# Altium PCB LTEWatch.PcbDoc (part 1 of 3) (continued)
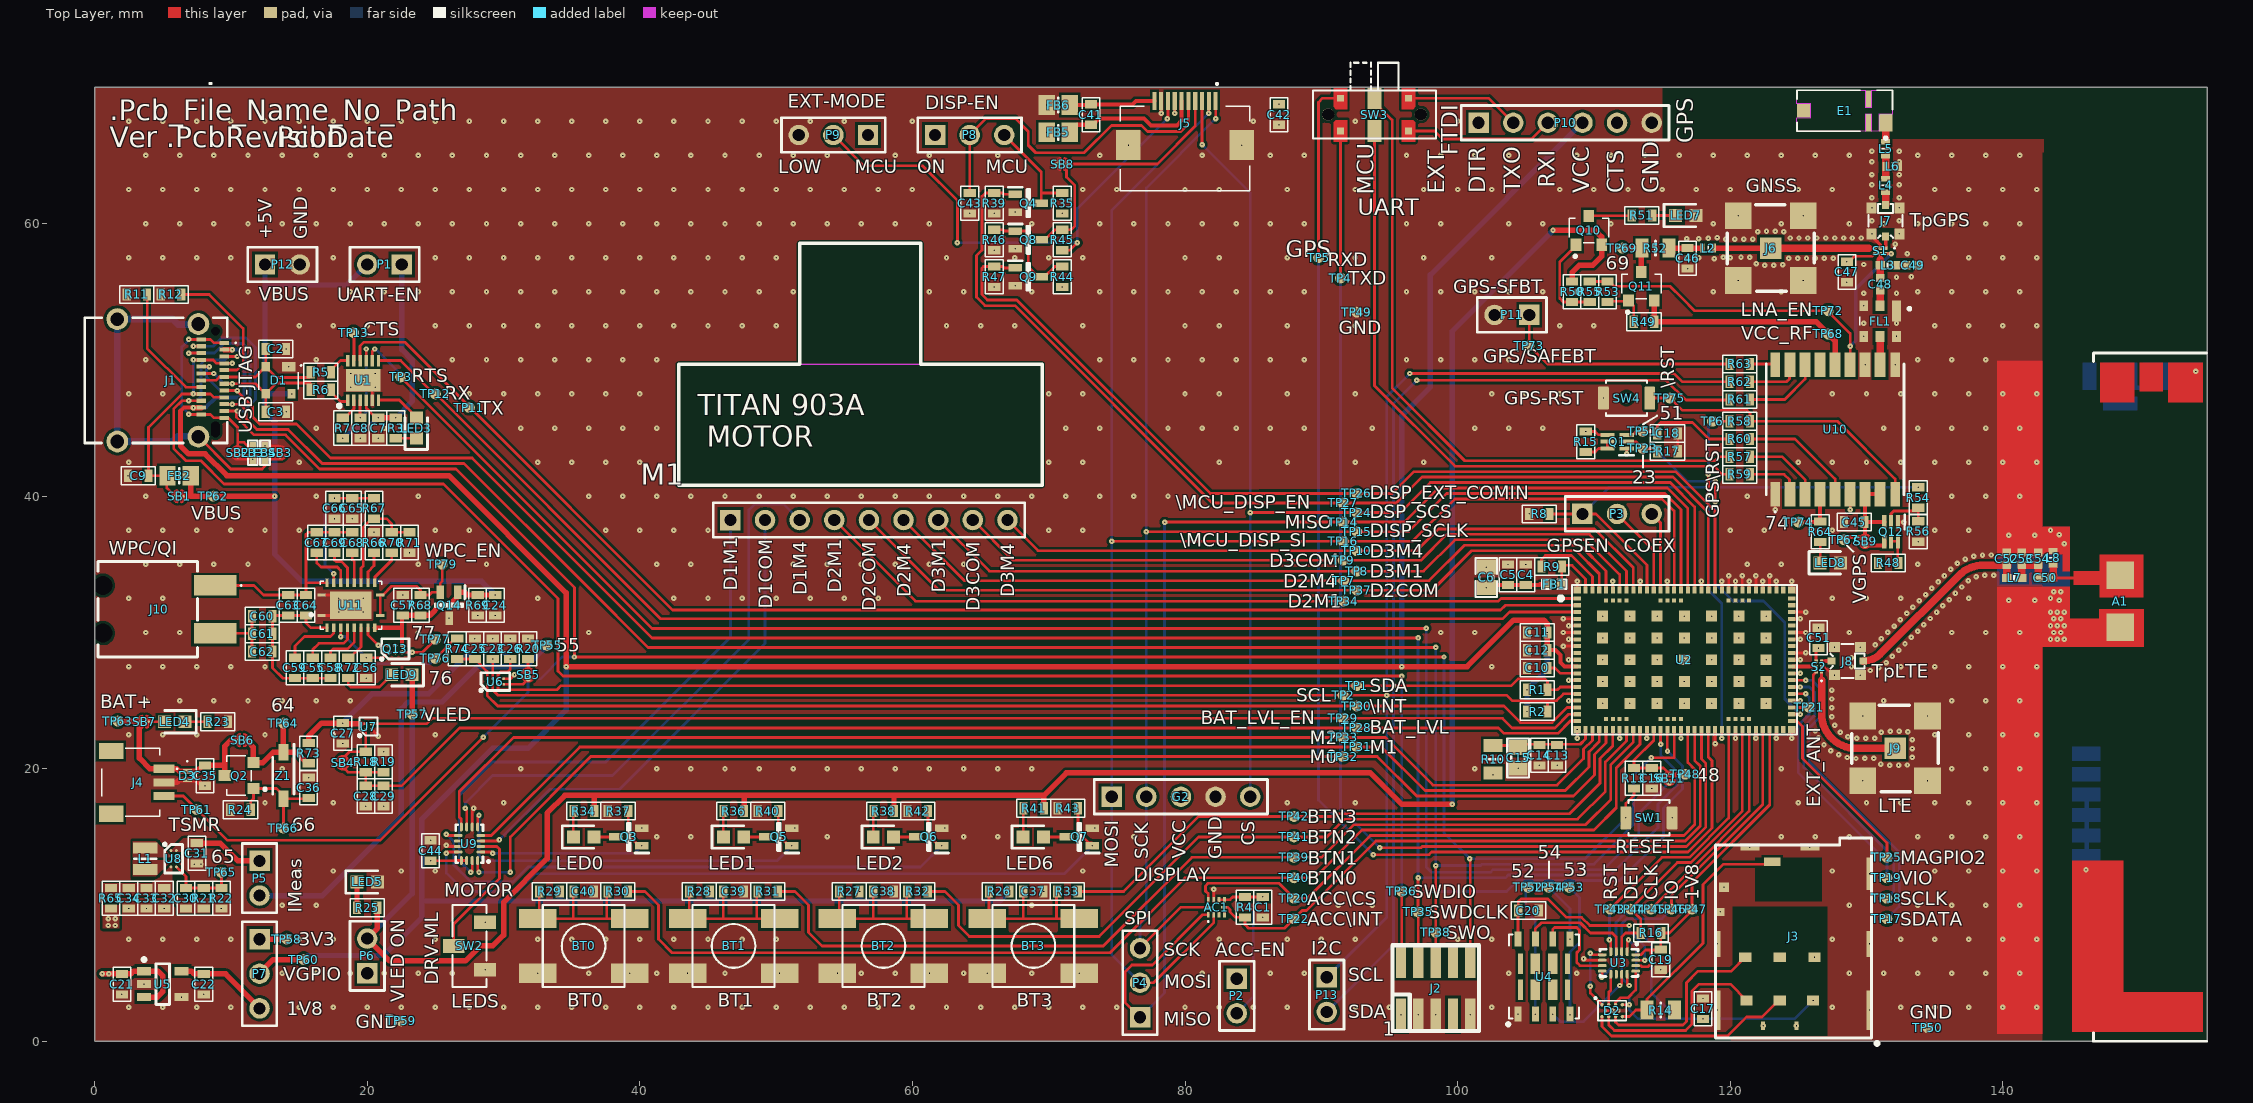
[diagram p0: Top Layer view]
## Components (designator, comment, footprint, x,y, rotation, side; value= is the part's Value field where it differs from the comment) (continued)
R29 "10k" RES0603 33.375,11 r0 top
R30 "10k" RES0603 38.375,11 r180 top
R31 "10k" RES0603 49.375,11 r180 top
R32 "10k" RES0603 60.375,11 r180 top
R33 "10k" RES0603 71.375,11 r180 top
R34 "15R" RES0603 35.9,16.9 r0 top
R35 "100k" RES0603 71,61.5 r270 top
R36 "15R" RES0603 46.9,16.9 r0 top
R37 "1M" RES0603 38.4,16.9 r0 top
R38 "15R" RES0603 57.9,16.9 r0 top
R39 "1M" RES0603 66,61.5 r90 top
R40 "1M" RES0603 49.4,16.9 r0 top
R41 "220" RES0603 68.9,17.1 r0 top
R42 "1M" RES0603 60.4,16.9 r0 top
R43 "1M" RES0603 71.4,17.1 r0 top
R44 "100k" RES0603 71,56.1 r270 top
R45 "100k" RES0603 71,58.8 r270 top
R46 "1M" RES0603 66,58.8 r90 top
R47 "1M" RES0603 66,56.1 r90 top
R48 "10k" RES0603 131.6,35.1 r0 top
R49 "10k" RES0603 113.675,52.8 r0 top
R50 "10k" RES0603 108.4,55 r90 top
R51 "120" RES0603 113.525,60.6 r180 top
R52 "10R" RESC2012X60N 114.515,58.2 r180 top
R53 "1k" RES0603 111,55 r270 top
R54 "1k" RES0603 133.8,39.9 r270 top
R55 "1k" RES0603 109.7,55 r270 top
R56 "1M" RES0603 133.8,37.41 r90 top
R57 "33R" RES0603 120.7,42.9 r180 top
R58 "1k" RES0603 120.7,45.5 r180 top
R59 "33R" RES0603 120.7,41.6 r180 top
R60 "33R" RES0603 120.7,44.2 r0 top
R61 "33R" RES0603 120.7,47.1 r180 top
R62 "33R" RES0603 120.7,48.4 r180 top
R63 "33R" RES0603 120.7,49.7 r180 top
R64 "120" RES0603 126.6,37.4 r90 top
R65 "NM" RES0603 1.2,10.5 r270 top
R66 "10k" RES0603 20.5,36.6 r270 top
R67 "20k" RES0603 20.5,39.1 r90 top
R68 "100k" RES0603 23.9,32 r270 top
R69 "1M" RES0603 28.1,32 r90 top
R70 "66R" RES0603 21.8,36.6 r270 top
R71 "196" RES0603 23.1,36.6 r90 top
R72 "120" RES0603 18.6,27.4 r270 top
R73 "NM" RES0603 15.7,21.15 r270 top
R74 "NM" RES0603 26.6,28.8 r90 top
S1 "BGS12PL6E6327XTSA1" BGS12WN6E6327XTSA1 131,58 r180 top value="RF CMOS SWITCH"
S2 "BGS12PL6E6327XTSA1" BGS12WN6E6327XTSA1 126.5,27.5 r90 top value="RF CMOS SWITCH"
SB1 "Solderbridge" Solderbridge#1 6.2,40 r0 top
SB2 "Solderbridge" Solderbridge#1 10.5,43.175 r90 top
SB3 "Solderbridge" Solderbridge#1 13.6,43.175 r270 top
SB4 "Solderbridge" Solderbridge#2 18.2,20.45 r270 top
SB5 "Solderbridge" Solderbridge#3 31.8,26.888 r90 top
SB6 "Solderbridge" Solderbridge#4 10.812,22.1 r0 top
SB7 "Solderbridge" Solderbridge#1 3.638,23.45 r0 top
SB8 "Solderbridge" Solderbridge#4 71,64.37 r180 top
SB9 "Solderbridge" Solderbridge#1 129.9,36.7 r90 top
SB11 "Solderbridge" Solderbridge#4 115.54,19.3 r270 top
SW1 "SKHUALE010" "Push Button C2.5X3.0 OMRON B3U-1000P(M)-B - MCU RST" 114.04,16.4 r0 top value="MCU RST"
SW2 "SMD slide (ON-ON)" "CJS-120xA - M/L" 27.5,7 r90 top
SW3 "Switch" "JS102011JAQN - GPS" 93.9,68 r180 top
SW4 "SKHUALE010" "Push Button C2.5X3.0 OMRON B3U-1000P(M)-B - GPS RST" 112.4,47.2 r180 top value="GPS RST"
TP1 "Ø1.0mm,SMD" TP_SMD_Ø0.8mm#1 92.6,26.1 r270 top
TP2 "Ø1.0mm,SMD" TP_SMD_Ø0.8mm#1 91.6,25.4 r270 top
TP3 "Ø1.0mm,SMD" TP_SMD_Ø0.8mm#1 22.45,48.75 r0 top
TP4 "Ø1.0mm,SMD" TP_SMD_Ø0.8mm#1 91.4,56 r0 top
TP5 "Ø1.0mm,SMD" TP_SMD_Ø0.8mm#1 89.8,57.5 r0 top
TP6 "Ø1.0mm,SMD" TP_SMD_Ø0.8mm#1 118.7,45.5 r0 top
TP7 "Ø1.0mm,SMD" TP_SMD_Ø0.8mm#1 91.646,33.8 r90 top
TP8 "Ø1.0mm,SMD" TP_SMD_Ø0.8mm#1 92.6,34.5 r90 top
TP9 "Ø1.0mm,SMD" TP_SMD_Ø0.8mm#1 91.6,35.3 r90 top
TP10 "" TP_SMD_Ø0.8mm#1 92.6,36 r180 top value=Ø1.0mm,SMD
TP11 "Ø1.0mm,SMD" TP_SMD_Ø0.8mm#1 27.5,46.5 r90 top
TP12 "Ø1.0mm,SMD" TP_SMD_Ø0.8mm#1 25,47.5 r90 top
TP13 "Ø1.0mm,SMD" TP_SMD_Ø0.8mm#1 19,52 r90 top
TP14 "Ø1.0mm,SMD" TP_SMD_Ø0.8mm#1 91.599,38.1 r90 top
TP15 "Ø1.0mm,SMD" TP_SMD_Ø0.8mm#1 92.6,37.4 r90 top
TP16 "Ø1.0mm,SMD" TP_SMD_Ø0.8mm#1 91.599,36.7 r90 top
TP17 "Ø1.0mm,SMD" TP_SMD_Ø0.8mm#1 131.5,9 r180 top
TP18 "Ø1.0mm,SMD" TP_SMD_Ø0.8mm#1 131.5,10.5 r180 top
TP19 "Ø1.0mm,SMD" TP_SMD_Ø0.8mm#1 131.5,12 r180 top
TP20 "Ø1.0mm,SMD" TP_SMD_Ø0.8mm#1 88,10.5 r90 top
TP21 "Ø1.0mm,SMD" TP_SMD_Ø0.8mm#1 125.8,24.5 r180 top
TP22 "Ø1.0mm,SMD" TP_SMD_Ø0.8mm#1 88,9 r90 top
TP23 "Ø1.0mm,SMD" TP_SMD_Ø0.8mm#1 113.6,43.5 r180 top
TP24 "Ø1.0mm,SMD" TP_SMD_Ø0.8mm#1 92.6,38.8 r90 top
TP25 "Ø1.0mm,SMD" TP_SMD_Ø0.8mm#1 131.5,13.5 r90 top
TP26 "Ø1.0mm,SMD" TP_SMD_Ø0.8mm#1 92.6,40.2 r90 top
TP27 "Ø1.0mm,SMD" TP_SMD_Ø0.8mm#1 91.6,39.5 r90 top
TP28 "Ø1.0mm,SMD" TP_SMD_Ø0.8mm#1 92.6,23 r0 top
TP29 "Ø1.0mm,SMD" TP_SMD_Ø0.8mm#1 91.6,23.7 r0 top
TP30 "Ø1.0mm,SMD" TP_SMD_Ø0.8mm#1 92.6,24.6 r0 top
TP31 "Ø1.0mm,SMD" TP_SMD_Ø0.8mm#1 92.6,21.6 r0 top
TP32 "Ø1.0mm,SMD" TP_SMD_Ø0.8mm#1 91.599,20.9 r0 top
TP33 "Ø1.0mm,SMD" TP_SMD_Ø0.8mm#1 91.599,22.3 r0 top
TP34 "Ø1.0mm,SMD" TP_SMD_Ø0.8mm#1 91.646,32.3 r0 top
TP35 "Ø1.0mm,SMD" TP_SMD_Ø0.8mm#1 97.1,9.5 r90 top
TP36 "Ø1.0mm,SMD" TP_SMD_Ø0.8mm#2 95.85,11 r90 top
TP37 "Ø1.0mm,SMD" TP_SMD_Ø0.8mm#1 92.6,33.1 r0 top
TP38 "Ø1.0mm,SMD" TP_SMD_Ø0.8mm#1 98.4,8 r0 top
TP39 "Ø1.0mm,SMD" TP_SMD_Ø0.8mm#1 88,13.5 r90 top
TP40 "Ø1.0mm,SMD" TP_SMD_Ø0.8mm#1 88,12 r0 top
TP41 "Ø1.0mm,SMD" TP_SMD_Ø0.8mm#1 88,15 r0 top
TP42 "Ø1.0mm,SMD" TP_SMD_Ø0.8mm#1 88,16.5 r0 top
TP43 "Ø1.0mm,SMD" TP_SMD_Ø0.8mm#1 111.2,9.7 r90 top
TP44 "Ø1.0mm,SMD" TP_SMD_Ø0.8mm#1 112.7,9.7 r90 top
TP45 "Ø1.0mm,SMD" TP_SMD_Ø0.8mm#1 114.2,9.7 r90 top
TP46 "Ø1.0mm,SMD" TP_SMD_Ø0.8mm#1 115.7,9.7 r90 top
TP47 "Ø1.0mm,SMD" TP_SMD_Ø0.8mm#1 117.2,9.7 r90 top
TP48 "Ø1.0mm,SMD" TP_SMD_Ø0.8mm#1 116.7,19.6 r0 top
TP49 "Ø1.0mm,SMD" TP_SMD_Ø0.8mm#1 92.6,53.5 r90 top
TP50 "Ø1.0mm,SMD" TP_SMD_Ø0.8mm#1 134.5,1 r90 top
TP51 "Ø1.0mm,SMD" TP_SMD_Ø0.8mm#1 113.6,44.75 r0 top
TP52 "Ø1.0mm,SMD" TP_SMD_Ø0.8mm#1 105.2,11.3 r180 top
TP53 "Ø1.0mm,SMD" TP_SMD_Ø0.8mm#1 108.2,11.3 r180 top
TP54 "Ø1.0mm,SMD" TP_SMD_Ø0.8mm#1 106.7,11.3 r180 top
TP55 "Ø1.0mm,SMD" TP_SMD_Ø0.8mm#1 33.2,29.05 r90 top
TP57 "Ø1.0mm,SMD" TP_SMD_Ø0.8mm#1 23.3,24 r90 top
TP58 "Ø1.0mm,SMD" TP_SMD_Ø0.8mm#1 14.1,7.5 r0 top
TP59 "Ø1.0mm,SMD" TP_SMD_Ø0.8mm#1 22.5,1.5 r90 top
TP60 "Ø1.0mm,SMD" TP_SMD_Ø0.8mm#1 15.35,6 r0 top
TP61 "Ø1.0mm,SMD" TP_SMD_Ø0.8mm#1 7.5,17 r90 top
TP62 "Ø1.0mm,SMD" TP_SMD_Ø0.8mm#1 8.709,40 r90 top
TP63 "Ø1.0mm,SMD" TP_SMD_Ø0.8mm#1 1.7,23.5 r90 top
TP64 "Ø1.0mm,SMD" TP_SMD_Ø0.8mm#1 13.85,23.35 r90 top
TP65 "Ø1.0mm,SMD" TP_SMD_Ø0.8mm#1 9.3,12.4 r90 top
TP66 "Ø1.0mm,SMD" TP_SMD_Ø0.8mm#1 13.85,15.65 r90 top
TP67 "Ø1.0mm,SMD" TP_SMD_Ø0.8mm#1 128.35,36.8 r0 top
TP68 "Ø1.0mm,SMD" TP_SMD_Ø0.8mm#1 127.2,51.9 r90 top
TP69 "Ø1.0mm,SMD" TP_SMD_Ø0.8mm#1 112.075,58.2 r0 top
TP72 "Ø1.0mm,SMD" TP_SMD_Ø0.8mm#1 127.2,53.6 r90 top
TP73 "Ø1.0mm,SMD" TP_SMD_Ø0.8mm#1 105.25,51.05 r270 top
TP74 "Ø1.0mm,SMD" TP_SMD_Ø0.8mm#1 125,38.1 r270 top
TP75 "Ø1.0mm,SMD" TP_SMD_Ø0.8mm#1 115.59,47.2 r180 top
TP76 "Ø1.0mm,SMD" TP_SMD_Ø0.8mm#1 25,28.1 r90 top
TP77 "Ø1.0mm,SMD" TP_SMD_Ø0.8mm#1 25,29.5 r90 top
TP79 "Ø1.0mm,SMD" TP_SMD_Ø0.8mm#1 25.5,35 r90 top
U1 "IC_USB_UART" SON45P300X300X75-13N-D 19.7,48.5 r90 top locked
U2 "nRF9160-SICAB1A" LGA50P1600X1050X104-161N 116.64,28 r0 top locked
U3 "NX3DV2567" XQFN40P180X260X50-16N 111.84,5.753 r270 top
U4 "MFFx_M2M_UICC" SON127P600X90_HS-8N 106.34,4.753 r90 top value="M2M UICC"
U5 "TPS7A0318PDBVR" SOT95P280X145-5N 5,4.2 r0 top value="LDO 1.8V 200mA"
U6 "BQ25180" BGA8C40P2X4_100X155X50 29.4,26.4 r90 top value="PROG LI-ION CHARG 1A"
U7 "TPS22916CNYFPT" BGA4C40P2X2_78X78X50 20.1,23.1 r90 top value="Load Switch"
U8 "TPS63036YFGT" BGA8C40P2X4_108X181X62 5.8,13.4 r0 top value="BUCK BOOST  3.3V 1A"
U9 "NX3DV2567" XQFN40P180X260X50-16N 27.5,14.5 r180 top
U10 "MAX-M10S-00B" MAXM10S00B 127.7,44.9 r270 top
U11 "BQ51013B" BQ51050BRHLR 18.425,32 r90 top
Y1 "Shunt 2.54mm" Shunt_2.54mm_Horizontal 15.477,77.03 r0 top
Y2 "Shunt 2.54mm" Shunt_2.54mm_Horizontal 20.76,77.03 r0 top
Y3 "Shunt 2.54mm" Shunt_2.54mm_Horizontal 26.043,77.03 r0 top
Y4 "Shunt 2.54mm" Shunt_2.54mm_Horizontal -0.373,77.03 r0 top
Y5 "Shunt 2.54mm" Shunt_2.54mm_Horizontal 4.91,77.03 r0 top
Y6 "Shunt 2.54mm" Shunt_2.54mm_Horizontal 10.193,77.03 r0 top
Y7 "Shunt 2.54mm" Shunt_2.54mm_Horizontal 47.176,77.03 r0 top
Y8 "Shunt 2.54mm" Shunt_2.54mm_Horizontal 52.459,77.03 r0 top
Y9 "Shunt 2.54mm" Shunt_2.54mm_Horizontal 57.742,77.03 r0 top
Y10 "Shunt 2.54mm" Shunt_2.54mm_Horizontal 31.326,77.03 r0 top
Y11 "Shunt 2.54mm" Shunt_2.54mm_Horizontal 36.609,77.03 r0 top
Y12 "Shunt 2.54mm" Shunt_2.54mm_Horizontal 41.893,77.03 r0 top
Y13 "Shunt 2.54mm" Shunt_2.54mm_Horizontal 72.8,77.1 r0 top
Y14 "Shunt 2.54mm" Shunt_2.54mm_Horizontal 62.7,77.1 r0 top
Y15 "Shunt 2.54mm" Shunt_2.54mm_Horizontal 67.8,77.1 r0 top
Z1 "ZENER" SOD3716X145N 13.85,19.5 r270 top value="9.1V 500mW"

## Footprints (in the part's own frame and the unit in brackets; to place one, negate y for a bottom-side part, rotate by r counter-clockwise, add the part's x,y. Pads: shape width x height; smd on the part's side, far side on the other; paste and mask are expansions set on the pad)
1286ASH1R0MP2 [mm]
  rect 0.8x1.8 smd: 1(-0.8,0) 2(0.8,0)
  silkscreen extent 0,-0.8 0,0.8, body extent -1,-0.8 1,0.8, height 1.2
"73251-1350 - GNSS" [mm]
  rect 1.96x1.96 smd: 1(-2.375,2.375) 2(2.375,2.375) 3(-2.375,-2.375) 4(2.375,-2.375)
  rect 1.57x1.57 smd: 5(0,0)
  silkscreen extent -3.17,-3.17 3.17,3.17, body extent -3.18,-3.18 3.18,3.18, height 9.53
"73251-1350 - LTE" [mm]
  rect 1.96x1.96 smd: 1(-2.375,2.375) 2(2.375,2.375) 3(-2.375,-2.375) 4(2.375,-2.375)
  rect 1.57x1.57 smd: 5(0,0)
  silkscreen extent -3.17,-3.17 3.17,3.17, body extent -3.17,-3.17 3.17,3.17, height 9.53
"12401598E42A - JTAG" [mm]
  rect 0.3x0.7 smd: A1(-2.75,5.025) A2(-2.25,5.025) A3(-1.75,5.025) A4(-1.25,5.025) A5(-0.75,5.025) A6(-0.25,5.025) A7(0.25,5.025) A8(0.75,5.025) A9(1.25,5.025) A10(1.75,5.025) A11(2.25,5.025) A12(2.75,5.025) B1(2.5,3.325) B2(2,3.325) B3(1.5,3.325) B4(1,3.325) B5(0.5,3.325) B6(0,3.325) B7(-0.5,3.325) B8(-1,3.325) B9(-1.5,3.325) B10(-2,3.325) B11(-2.5,3.325) B12(-3,3.325)
  round 1.6 hole 1: MH1(-4.13,3.115) MH2(4.13,3.115) MH3(4.49,-2.835) MH4(-4.49,-2.835)
  round 0.325 hole 0.65 unplated: MH5(-3.6,4.365)
  round 0.575 hole 0.65 slot 1.15 at 0 deg unplated: MH6(3.6,4.365)
  silkscreen extent -4.6,-5.23 4.6,5.9, body extent -4.58,-5.31 4.62,5.18, height 3.29
23839422 [mm]
  rect 1.5x3.1 smd: 1(-1.75,4.95) 2(1.75,4.95)
  round 0.7 hole 1.4 unplated: MH1(-1.75,-3.3) MH2(1.75,-3.3)
  silkscreen extent -3.5,-3.65 3.5,6.9, body extent -3.5,-3.9 3.5,6.35, height 8.75
B39162B3913U410 [mm]
  rect 0.65x1.55 smd: 1(-1.2,-0.75)
  rect 0.65x0.8 smd: 2(0,-1.125) 3(1.2,-1.125) 4(1.2,1.125) 5(0,1.125) 6(-1.2,1.125)
  silkscreen extent -2.2,-0.95 1.5,0.3, body extent -1.5,-1.5 1.5,1.5, height 1.33
BEADC2012X110N [mm]
  rect 1.2x1.45 smd: 1(-0.85,0) 2(0.85,0)
  silkscreen extent 0,-0.53 0,0.53, body extent -1,-0.63 1,0.63, height 1.1
BGA4C40P2X2_78X78X50 [mm]
  round 0.226 smd: A1(-0.2,0.2) A2(0.2,0.2) B1(-0.2,-0.2) B2(0.2,-0.2)
  silkscreen extent -0.76,-0.66 0.66,0.76, body extent -0.39,-0.39 0.39,0.39, height 0.5
BGA6C50P2X3_95X145X62 [mm]
  round 0.298 smd: A1(-0.25,0.5) A2(0.25,0.5) B1(-0.25,0) B2(0.25,0) C1(-0.25,-0.5) C2(0.25,-0.5)
  silkscreen extent -0.85,-1 0.75,1.1, body extent -0.48,-0.72 0.48,0.72, height 0.63
BGA8C40P2X4_100X155X50 [mm]
  round 0.2 smd: A1(-0.2,0.6) A2(0.2,0.6) B1(-0.2,0.2) B2(0.2,0.2) C1(-0.2,-0.2) C2(0.2,-0.2) D1(-0.2,-0.6) D2(0.2,-0.6)
  silkscreen extent -0.75,-1.05 0.65,1.15, body extent -0.5,-0.77 0.5,0.77, height 0.5
BGA8C40P2X4_108X181X62 [mm]
  round 0.2 smd: A1(-0.2,0.6) A2(0.2,0.6) B1(-0.2,0.2) B2(0.2,0.2) C1(-0.2,-0.2) C2(0.2,-0.2) D1(-0.2,-0.6) D2(0.2,-0.6)
  silkscreen extent -0.75,-1.05 0.65,1.15, body extent -0.54,-0.91 0.54,0.91, height 0.63
BGS12WN6E6327XTSA1 [mm]
  rect 0.25x0.25 smd: 1(-0.4,-0.2) 2(0,-0.2) 3(0.4,-0.2) 4(0.4,0.2) 5(0,0.2) 6(-0.4,0.2)
  silkscreen extent -1.1,-0.25 -1,-0.15, body extent -0.55,-0.35 0.55,0.35, height 0.5
BQ51050BRHLR [mm]
  rect 0.24x0.6 smd: 1(-0.75,1.775) 10(-0.75,-2.525) 11(0.75,-2.525) 20(0.75,1.775)
  rect 0.6x0.24 smd: 2(-1.65,1.375) 3(-1.65,0.875) 4(-1.65,0.375) 5(-1.65,-0.125) 6(-1.65,-0.625) 7(-1.65,-1.125) 8(-1.65,-1.625) 9(-1.65,-2.125) 12(1.65,-2.125) 13(1.65,-1.625) 14(1.65,-1.125) 15(1.65,-0.625) 16(1.65,-0.125) 17(1.65,0.375) 18(1.65,0.875) 19(1.65,1.375)
  rect 2.05x3.05 smd: 21(0,-0.375)
  silkscreen extent -1.75,-2.63 1.75,2.62, body extent -1.75,-2.67 1.75,1.83, height 1
C0603 [mm] "SMD 0603"
  rect 0.6x0.9 smd: 1(-0.75,0) 2(0.75,0)
  silkscreen extent -1.25,-0.65 1.25,0.65, body extent -0.8,-0.4 0.8,0.4, height 0.3
CAPC1005X55N [mm]
  rect 0.6x0.62 smd: 1(-0.46,0) 2(0.46,0)
  body extent -0.5,-0.25 0.5,0.25, height 0.55
CAPC2012X11L [mm]
  rect 1.1x1.4 smd: 1(-0.75,0) 2(0.75,0)
  silkscreen extent -1.43,-0.8 1.42,0.8, body extent -1,-0.62 1,0.63, height 0.77
"CJS-120xA - M/L" [mm]
  rect 1x1.6 smd: 1(1.75,-1.15) 2(0,1.15) 3(-1.75,-1.15)
  silkscreen extent -3,-1.25 3,1.25, body extent -3,-1.4 3,1.45, height 2.5
CM1402 [mm]
  round 0.25 smd mask+0.05: A1(-0.75,0.435) A2(-0.25,0.435) A3(0.25,0.435) A4(0.75,0.435) B1(-0.5,0) B2(0.5,0) C1(-0.75,-0.435) C2(-0.25,-0.435) C3(0.25,-0.435) C4(0.75,-0.435)
  silkscreen extent -1.28,-0.73 1.04,0.96, body extent -0.98,-0.66 0.98,0.66, height 0.72
"COAXIAL-SWF - GNSS" [mm]
  rect 0.5x0.58 smd: 1(0,1.16) 3(0,-1.16)
  rect 0.75x0.8 smd: 2(-1.025,0.95) 2(-1.025,-0.95) 2(1.025,0.95) 2(1.025,-0.95)
  Top Layer pour cut-out: -0.65,0.55 0.65,0.55 0.65,1.35 -0.65,1.35
  Top Layer pour cut-out: 0.65,-0.55 -0.65,-0.55 -0.65,-1.35 0.65,-1.35
  silkscreen extent -1.25,-1.25 1.25,1.25, body extent -1.26,-1.3 1.26,1.3, height 1.4
"COAXIAL-SWF - LTE" [mm]
  rect 0.5x0.58 smd: 1(0,1.16) 3(0,-1.16)
  rect 0.75x0.8 smd: 2(-1.025,-0.95) 2(-1.025,0.95) 2(1.025,-0.95) 2(1.025,0.95)
  Top Layer pour cut-out: 0.65,-0.55 -0.65,-0.55 -0.65,-1.35 0.65,-1.35
  Top Layer pour cut-out: -0.65,0.55 0.65,0.55 0.65,1.35 -0.65,1.35
  silkscreen extent -1.25,-1.25 1.25,1.25, body extent -1.26,-1.3 1.26,1.3, height 1.4
FH12A10S05SH55 [mm]
  rect 0.3x1.3 smd: 1(-2.25,-3.5) 2(-1.75,-3.5) 3(-1.25,-3.5) 4(-0.75,-3.5) 5(-0.25,-3.5) 6(0.25,-3.5) 7(0.75,-3.5) 8(1.25,-3.5) 9(1.75,-3.5) 10(2.25,-3.5)
  rect 1.8x2.2 smd: MP1(-4.15,-0.25) MP2(4.15,-0.25)
  silkscreen extent -4.75,-4.8 71.55,3.1, body extent -4.87,-4.12 4.87,3.1, height 3.7
"HDR1X2 - ACCEL" [mm] "Connector; Header; 2 Position"
  rect 1.5x1.5 hole 0.9: 1(0,0)
  round 1.5 hole 0.9: 2(2.54,0)
  silkscreen extent -1.27,-1.27 3.81,1.27
"HDR1X2 - GPSSAFEBOOT" [mm] "Connector; Header; 2 Position"
  rect 1.5x1.5 hole 0.9: 1(0,0)
  round 1.5 hole 0.9: 2(2.54,0)
  silkscreen extent -1.27,-1.27 3.81,1.27
"HDR1X2 - I2C" [mm] "Connector; Header; 2 Position"
  rect 1.5x1.5 hole 0.9: 1(0,0)
  round 1.5 hole 0.9: 2(2.54,0)
  silkscreen extent -1.27,-1.27 3.81,1.27
"HDR1X2 - IMEAS" [mm] "Connector; Header; 2 Position"
  rect 1.5x1.5 hole 0.9: 1(0,0)
  round 1.5 hole 0.9: 2(2.54,0)
  silkscreen extent -1.27,-1.27 3.81,1.27
"HDR1X2 - UART" [mm] "Connector; Header; 2 Position"
  rect 1.5x1.5 hole 0.9: 1(0,0)
  round 1.5 hole 0.9: 2(2.54,0)
  silkscreen extent -1.27,-1.27 3.81,1.27
"HDR1X2 - VIN" [mm] "Connector; Header; 2 Position"
  rect 1.5x1.5 hole 0.9: 1(0,0)
  round 1.5 hole 0.9: 2(2.54,0)
  silkscreen extent -1.27,-1.27 3.81,1.27
"HDR1X2 - VLED" [mm] "Connector; Header; 2 Position"
  rect 1.5x1.5 hole 0.9: 1(0,0)
  round 1.5 hole 0.9: 2(2.54,0)
  silkscreen extent -1.27,-1.27 3.81,1.27
"HDR1X3 - COEX" [mm] "Connector; Header; 3 Position"
  rect 1.5x1.5 hole 0.9: 1(0,0)
  round 1.5 hole 0.9: 2(2.54,0) 3(5.08,0)
  silkscreen extent -1.27,-1.27 6.35,1.27
"HDR1X3 - DISP_EN" [mm] "Connector; Header; 3 Position"
  rect 1.5x1.5 hole 0.9: 1(0,0)
  round 1.5 hole 0.9: 2(2.54,0) 3(5.08,0)
  silkscreen extent -1.27,-1.27 6.35,1.27
"HDR1X3 - EXT_MODE" [mm] "Connector; Header; 3 Position"
  rect 1.5x1.5 hole 0.9: 1(0,0)
  round 1.5 hole 0.9: 2(2.54,0) 3(5.08,0)
  silkscreen extent -1.27,-1.27 6.35,1.27
"HDR1X3 - SPI" [mm] "Connector; Header; 3 Position"
  rect 1.5x1.5 hole 0.9: 1(0,0)
  round 1.5 hole 0.9: 2(2.54,0) 3(5.08,0)
  silkscreen extent -1.27,-1.27 6.35,1.27
"HDR1X3 - VGPIO" [mm] "Connector; Header; 3 Position"
  rect 1.5x1.5 hole 0.9: 1(0,0)
  round 1.5 hole 0.9: 2(2.54,0) 3(5.08,0)
  silkscreen extent -1.27,-1.27 6.35,1.27
"HDR1X6 - GPS" [mm] "Connector; Header; 3 Position"
  rect 1.5x1.5 hole 0.9: 1(0,0)
  round 1.5 hole 0.9: 2(2.54,0) 3(5.08,0) 4(7.62,0) 5(10.16,0) 6(12.7,0)
  silkscreen extent -1.27,-1.27 13.97,1.27
HDR_2x5-SMD-1.27mm-K [mm]
  rect 0.76x2.4 smd: 1(-2.54,-1.95) 2(-2.54,1.95) 3(-1.27,-1.95) 4(-1.27,1.95) 5(0,-1.95) 6(0,1.95) 7(1.27,-1.95) 8(1.27,1.95) 9(2.54,-1.95) 10(2.54,1.95)
  silkscreen extent -3.17,-3.15 3.17,3.15, body extent -3.14,-2.92 3.14,2.92, height 6.11
INDC1005X04L [mm]
  rect 0.65x0.5 smd: 1(-0.475,0) 2(0.475,0)
  silkscreen extent -0.9,-0.35 0.9,0.35, body extent -0.5,-0.3 0.5,0.3, height 0.5
INDC1005X37N [mm]
  rect 0.7x0.6 smd: 1(-0.55,0) 2(0.55,0)
  silkscreen extent 0,-0.15 0,0.15, body extent -0.5,-0.25 0.5,0.25, height 0.37
"JS102011JAQN - GPS" [mm]
  round 0.9 hole 0.9 unplated mask+0: 0(-3.4,0) 0(3.4,0)
  rect 0.5x0.5 smd: 1(-2.5,-1.2) 3(2.5,-1.2) 4(-2.5,1.2) 6(2.5,1.2)
  rect 1x1.6 smd: 2(0,-1.2) 5(0,1.2)
  Top Layer region: 3,-0.562 2.838,-0.4 2,-0.4 2,-2 3,-2
  Top Layer region: 3,0.562 2.838,0.4 2,0.4 2,2 3,2
  Top Layer region: -3,-0.562 -2.838,-0.4 -2,-0.4 -2,-2 -3,-2
  Top Layer region: -3,0.562 -2.838,0.4 -2,0.4 -2,2 -3,2
  silkscreen extent -4.5,-3.8 4.5,1.75, body extent -4.25,-3.75 4.25,1.75, height 3.5
LEDC1608X80N [mm]
  rect 0.95x0.95 smd: 1(-0.75,0) 2(0.75,0)
  silkscreen extent -1.58,-0.82 0.75,0.82, body extent -0.83,-0.4 0.77,0.4, height 0.7
LGA50P1600X1050X104-161N [mm]
  rect 0.54x0.54 smd mask+0.05: 1(-7.87,5.12) 21(-7.87,-5.12) 52(7.87,-5.12) 72(7.87,5.12)
  rect 0.54x0.3 smd mask+0.05: 2(-7.87,4.5) 3(-7.87,4) 4(-7.87,3.5) 5(-7.87,3) 6(-7.87,2.5) 7(-7.87,2) 8(-7.87,1.5) 9(-7.87,1) 10(-7.87,0.5) 11(-7.87,0) 12(-7.87,-0.5) 13(-7.87,-1) 14(-7.87,-1.5) 15(-7.87,-2) 16(-7.87,-2.5) 17(-7.87,-3) 18(-7.87,-3.5) 19(-7.87,-4) 20(-7.87,-4.5) 53(7.87,-4.5) 54(7.87,-4) 55(7.87,-3.5) 56(7.87,-3) 57(7.87,-2.5) 58(7.87,-2) 59(7.87,-1.5) 60(7.87,-1) 61(7.87,-0.5) 62(7.87,0) 63(7.87,0.5) 64(7.87,1) 65(7.87,1.5) 66(7.87,2) 67(7.87,2.5) 68(7.87,3) 69(7.87,3.5) 70(7.87,4) 71(7.87,4.5)
  rect 0.3x0.54 smd mask+0.05: 22(-7.25,-5.12) 23(-6.75,-5.12) 24(-6.25,-5.12) 25(-5.75,-5.12) 26(-5.25,-5.12) 27(-4.75,-5.12) 28(-4.25,-5.12) 29(-3.75,-5.12) 30(-3.25,-5.12) 31(-2.75,-5.12) 32(-2.25,-5.12) 33(-1.75,-5.12) 34(-1.25,-5.12) 35(-0.75,-5.12) 36(-0.25,-5.12) 37(0.25,-5.12) 38(0.75,-5.12) 39(1.25,-5.12) 40(1.75,-5.12) 41(2.25,-5.12) 42(2.75,-5.12) 43(3.25,-5.12) 44(3.75,-5.12) 45(4.25,-5.12) 46(4.75,-5.12) 47(5.25,-5.12) 48(5.75,-5.12) 49(6.25,-5.12) 50(6.75,-5.12) 51(7.25,-5.12) 73(7.25,5.12) 74(6.75,5.12) 75(6.25,5.12) 76(5.75,5.12) 77(5.25,5.12) 78(4.75,5.12) 79(4.25,5.12) 80(3.75,5.12) 81(3.25,5.12) 82(2.75,5.12) 83(2.25,5.12) 84(1.75,5.12) 85(1.25,5.12) 86(0.75,5.12) 87(0.25,5.12) 88(-0.25,5.12) 89(-0.75,5.12) 90(-1.25,5.12) 91(-1.75,5.12) 92(-2.25,5.12) 93(-2.75,5.12) 94(-3.25,5.12) 95(-3.75,5.12) 96(-4.25,5.12) 97(-4.75,5.12) 98(-5.25,5.12) 99(-5.75,5.12) 100(-6.25,5.12) 101(-6.75,5.12) 102(-7.25,5.12)
  rect 0.8x0.8 smd mask+0.05: 103(-6,-3.2) 103(-6,-1.6) 103(-6,0) 103(-6,1.6) 103(-6,3.2) 103(-4,-3.2) 103(-4,-1.6) 103(-4,0) 103(-4,1.6) 103(-4,3.2) 103(-2,-3.2) 103(-2,-1.6) 103(-2,0) 103(-2,1.6) 103(-2,3.2) 103(0,-3.2) 103(0,-1.6) 103(0,0) 103(0,1.6) 103(0,3.2) 103(2,-3.2) 103(2,-1.6) 103(2,0) 103(2,1.6) 103(2,3.2) 103(4,-3.2) 103(4,-1.6) 103(4,0) 103(4,1.6) 103(4,3.2) 103(6,-3.2) 103(6,-1.6) 103(6,0) 103(6,1.6) 103(6,3.2)
  rect 0.3x0.3 smd mask+0.05: 104(-5.75,-4.35) 105(-5.25,-4.35) 106(-4.75,-4.35) 107(-4.25,-4.35) 108(-1.75,-4.35) 109(-1.25,-4.35) 110(-0.75,-4.35) 111(-0.25,-4.35) 112(3.25,-4.35) 113(3.75,-4.35) 114(4.25,-4.35) 115(4.75,-4.35) 116(4.75,4.35) 117(4.25,4.35) 118(3.75,4.35) 119(3.25,4.35) 120(-0.25,4.35) 121(-0.75,4.35) 122(-1.25,4.35) 123(-1.75,4.35) 124(-4.25,4.35) 125(-4.75,4.35) 126(-5.25,4.35) 127(-5.75,4.35)
  Top Layer pour cut-out: -8.15,5.4 8.15,5.4 8.15,-5.4 -8.15,-5.4
  silkscreen extent -9.21,-5.5 8.25,5.5, body extent -8.05,-5.3 8.05,5.3, height 1.2
LQG15WH0N7B02D [mm]
  rect 0.35x0.65 smd: 1(-0.425,0) 2(0.425,0)
  silkscreen extent 0,-0.25 0,0.25, body extent -0.5,-0.25 0.5,0.25, height 0.55
LQW15AN10NG80D [mm]
  rect 0.41x0.66 smd: 1(-0.505,0) 2(0.505,0)
  silkscreen extent 0,-0.3 0,0.3, body extent -0.5,-0.25 0.5,0.25, height 0.6
M404010346R [mm]
  rect 0.6x1.55 smd: 1(-1,2.288) 2(0,2.288) 3(1,2.288)
  rect 1.2x1.8 smd: MP1(-2.3,-1.587) MP2(2.3,-1.587)
  silkscreen extent -2.5,-2.29 2.5,3.3, body extent -2.78,-2.37 2.78,3, height 3.35
MAXM10S00B [mm]
  rect 1.8x0.7 smd: 1(4.75,-4.4) 9(4.75,4.4) 10(-4.75,4.4) 18(-4.75,-4.4)
  rect 1.8x0.8 smd: 2(4.75,-3.3) 3(4.75,-2.2) 4(4.75,-1.1) 5(4.75,0) 6(4.75,1.1) 7(4.75,2.2) 8(4.75,3.3) 11(-4.75,3.3) 12(-4.75,2.2) 13(-4.75,1.1) 14(-4.75,0) 15(-4.75,-1.1) 16(-4.75,-2.2) 17(-4.75,-3.3)
  silkscreen extent -4.8,-5.05 6.1,5.05, body extent -4.85,-5.05 4.85,5.05, height 2.8
MC3635 [mm]
  rect 0.2x0.4 smd: 1(-0.6,-0.55) 2(-0.2,-0.55) 3(0.2,-0.55) 4(0.6,-0.55) 6(0.6,0.55) 7(0.2,0.55) 8(-0.2,0.55) 9(-0.6,0.55)
  rect 0.4x0.2 smd: 5(0.55,0) 10(-0.55,0)
  silkscreen extent -0.65,-1.1 -0.55,-1, body extent -0.8,-0.8 0.8,0.8, height 1.04
MOTOR [mm] "Titan 903A : 3 Hands Bidirectional, independent motor"
  rect 1.5x1.5 hole 0.9: 1(-6.35,0)
  round 1.5 hole 0.9: 2(-3.81,0) 3(-1.27,0) 4(1.27,0) 5(3.81,0) 6(6.35,0) 7(8.89,0) 8(11.43,0) 9(13.97,0)
  Keep-Out Layer region: -10.16,2.54 16.51,2.54 16.51,11.43 -10.16,11.43
  Keep-Out Layer region: -1.27,11.43 7.62,11.43 7.62,20.32 -1.27,20.32
  silkscreen extent -10.16,-1.27 16.51,20.32, body extent -10.16,2.31 16.51,20.32, height 3
P822601 [mm]
  rect 2x2 smd: 1(-8.89,-2.286) 2(-5.08,-2.286)
  Top Layer region: -8.45,-8.196 -8.95,-8.196 -8.95,-7.996 -8.45,-7.996
  Top Layer region: -9.45,-8.196 -9.95,-8.196 -9.95,-7.996 -9.45,-7.996
  Top Layer region: -8.45,-8.396 -9.95,-8.396 -9.95,-8.196 -8.45,-8.196
  Top Layer region: -8.45,-8.596 -8.95,-8.596 -8.95,-8.396 -8.45,-8.396
  Top Layer region: -9.45,-8.596 -9.95,-8.596 -9.95,-8.396 -9.45,-8.396
  Top Layer region: -9.6,-9.196 -9.8,-9.196 -9.8,-8.596 -9.6,-8.596
  Top Layer region: -8.45,-9.396 -8.95,-9.396 -8.95,-9.196 -8.45,-9.196
  Top Layer region: -9.45,-9.396 -9.95,-9.396 -9.95,-9.196 -9.45,-9.196
  Top Layer region: -8.45,-9.596 -9.95,-9.596 -9.95,-9.396 -8.45,-9.396
  Top Layer region: -8.45,-9.796 -8.95,-9.796 -8.95,-9.596 -8.45,-9.596
  Top Layer region: -9.45,-9.796 -9.95,-9.796 -9.95,-9.596 -9.45,-9.596
  Top Layer region: -21.6,1.254 -24.5,1.254 -24.5,3.754 -21.6,3.754
  Top Layer region: -22.4,-0.846 -24.5,-0.846 -24.5,0.854 -22.4,0.854
  Top Layer region: -21.6,-3.746 -24.5,-3.746 -24.5,-1.246 -21.6,-1.246
  Top Layer region: 24.6,-5.796 12.05,-5.796 12.05,-2.046 24.6,-2.046
  Top Layer region: 24.6,-2.046 21.7,-2.046 21.7,3.754 24.6,3.754
  Top Layer region: -3.67,-7.991 -8.05,-7.991 -8.05,-5.996 -3.67,-5.996
  Top Layer region: -3.67,-5.996 -5.71,-5.996 -5.71,-3.826 -3.67,-3.826
  Top Layer region: -3.67,-3.826 -6.399,-3.826 -6.4,-0.566 -3.67,-0.566
  Top Layer region: -10.45,-7.996 -12.45,-7.996 -12.45,-6.496 -10.45,-6.496
  Top Layer region: -9.2,-6.496 -12.45,-6.496 -12.45,-5.996 -9.2,-5.996
  Top Layer region: -9.45,-7.496 -9.95,-7.496 -9.95,-7.296 -9.45,-7.296
  Top Layer region: -8.45,-7.496 -8.95,-7.496 -8.95,-7.296 -8.45,-7.296
  Top Layer region: -8.45,-7.296 -9.95,-7.296 -9.95,-7.096 -8.45,-7.096
  Top Layer region: -9.45,-7.096 -9.95,-7.096 -9.95,-6.896 -9.45,-6.896
  Top Layer region: -8.45,-7.096 -8.95,-7.096 -8.95,-6.896 -8.45,-6.896
  Top Layer region: -8.6,-6.896 -8.8,-6.896 -8.8,-5.696 -8.6,-5.696
  Top Layer region: -8.2,-5.696 -9.2,-5.696 -9.2,-3.796 -8.2,-3.796
  Top Layer region: -7.3,-3.796 -10.4,-3.796 -10.4,-0.596 -7.3,-0.596
  Top Layer region: -9.6,-11.296 -9.8,-11.296 -9.8,-10.896 -9.6,-10.896
  Top Layer region: -9.45,-10.896 -9.95,-10.896 -9.95,-10.696 -9.45,-10.696
  Top Layer region: -8.45,-10.896 -8.95,-10.896 -8.95,-10.696 -8.45,-10.696
  Top Layer region: -8.45,-10.696 -9.95,-10.696 -9.95,-10.496 -8.45,-10.496
  Top Layer region: -9.45,-10.496 -9.95,-10.496 -9.95,-10.296 -9.45,-10.296
  Top Layer region: -8.45,-10.496 -8.95,-10.496 -8.95,-10.296 -8.45,-10.296
  Top Layer region: 24.75,-11.296 -8.05,-11.296 -8.05,-8.001 24.75,-8.001
  Top Layer region: -10.45,-11.296 -24.65,-11.296 -24.65,-7.996 -10.45,-7.996
  Bottom Layer region: -22.5,-3.546 -24.5,-3.546 -24.5,-2.546 -22.5,-2.546
  Bottom Layer region: -24.196,-2.546 -24.5,-2.546 -24.5,-2.046 -24.196,-2.046
  Bottom Layer region: -22.5,-2.046 -24.5,-2.046 -24.5,-1.046 -22.5,-1.046
  Bottom Layer region: -22.5,-1.046 -22.8,-1.046 -22.8,-0.546 -22.5,-0.546
  Bottom Layer region: -22.5,-0.546 -24.5,-0.546 -24.5,3.754 -22.5,3.754
  Bottom Layer region: -21,-3.546 -22,-3.546 -22,-1.046 -21,-1.046
  Bottom Layer region: -22.5,-5.046 -24.5,-5.046 -24.5,-4.046 -22.5,-4.046
  Bottom Layer region: 7.7,-5.796 6.7,-5.796 6.7,-4.896 7.7,-4.896
  Bottom Layer region: 9.2,-5.796 8.2,-5.796 8.2,-4.896 9.2,-4.896
  Bottom Layer region: 10.7,-5.796 9.7,-5.796 9.7,-4.896 10.7,-4.896
  Bottom Layer region: 13.2,-5.796 11.2,-5.796 11.2,-4.896 13.2,-4.896
  Bottom Layer region: 13.2,-4.896 6.7,-4.896 6.7,-4.596 13.2,-4.596
  Bottom Layer region: 7.7,-4.596 6.7,-4.596 6.7,-3.746 7.7,-3.746
  Bottom Layer region: 9.2,-4.596 8.2,-4.596 8.2,-3.746 9.2,-3.746
  Bottom Layer region: 10.7,-4.596 9.7,-4.596 9.7,-3.746 10.7,-3.746
  Bottom Layer region: 13.2,-4.596 11.2,-4.596 11.2,-3.746 13.2,-3.746
  Bottom Layer region: 6.2,-5.796 5.2,-5.796 5.2,-3.746 6.2,-3.746
  Bottom Layer region: 4.7,-5.796 3.7,-5.796 3.7,-3.746 4.7,-3.746
  Bottom Layer region: -3.86,-7.996 -12.45,-7.996 -12.45,-5.996 -3.86,-5.996
  Bottom Layer region: 24.752,-11.296 -24.648,-11.296 -24.65,-7.996 24.75,-7.996
  Multi-Layer pour cut-out: -39.95,5.08 39.05,5.08 39.05,-7.996 -39.95,-7.996
  silkscreen extent -25.2,-4.25 25.3,4.05, body extent -24.95,-4 25.05,4, height 3.2
PRTR5V0U2X [mm]
  rect 1x0.7 smd: 1(-0.75,-1)
  rect 0.6x0.7 smd: 2(0.95,-1) 3(0.95,1) 4(-0.95,1)
  silkscreen extent -1.7,-1.15 1.45,0.7, body extent -1.46,-1.2 1.44,1.2, height 0.95
"Push Button C2.5X3.0 OMRON B3U-1000P(M)-B - GPS RST" [mm] "Push Button C2.5X3.0 OMRON B3U-1000P(M)-B"
  rrect25% 0.8x1.7 smd: 1(-1.7,0) 2(1.7,0)
  round 0.8 hole 0.8 unplated: 3(0,0)
  silkscreen extent -1.5,-1.3 1.5,1.3, body extent -1.5,-1.25 1.5,1.25, height 1.6
"Push Button C2.5X3.0 OMRON B3U-1000P(M)-B - MCU RST" [mm] "Push Button C2.5X3.0 OMRON B3U-1000P(M)-B"
  rrect25% 0.8x1.7 smd: 1(-1.7,0) 2(1.7,0)
  round 0.8 hole 0.8 unplated: 3(0,0)
  silkscreen extent -1.5,-1.3 1.5,1.3, body extent -1.5,-1.25 1.5,1.25, height 1.6
RES0603 [mm] "SMD 0603"
  rect 0.6x0.9 smd: 1(-0.75,0) 2(0.75,0)
  silkscreen extent -1.25,-0.65 1.25,0.65, body extent -0.8,-0.4 0.8,0.4, height 0.3
RESC2012X60N [mm]
  rect 0.95x1.4 smd: 1(-1,0) 2(1,0)
  silkscreen extent 0,-0.53 0,0.53, body extent -1,-0.63 1,0.63, height 0.6
SF72S006VBAR2500 [mm]
  rect 0.45x2.9 smd: 0(-11.175,1.9) 0(0,1.9)
  rect 0.45x1.9 smd: 0(-11.175,6.75) 0(0,6.75)
  rect 0.75x0.7 smd: 0(-10.675,10.9)
  rect 1.4x0.5 smd: 0(-8.78,13.85) 0(-4.38,13.85)
  rect 0.3x0.6 smd: 0(-7.8,0.75) 0(-5.36,0.75)
  rect 0.45x2.4 smd: 0(0,11.9)
  rect 0.9x0.7 smd: C1(-4.14,2.6) C2(-6.58,2.6) C3(-9.02,2.6) C5(-4.04,5.77) C6(-6.58,5.77) C7(-9.12,5.77)
  rect 0.6x0.6 smd: CSW(-10.95,9.1)
  rect 1.2x0.65 smd: DSW(-7.13,12.775)
  Top Layer pour cut-out: -10.084,9.5 -3.073,9.5 -3.073,-0.025 -10.084,-0.025
  Top Layer pour cut-out: -8.407,13.106 -3.48,13.106 -3.48,9.855 -8.407,9.855
  silkscreen extent -11.3,-0.67 0.67,14.53, body extent -11.2,0.05 0.02,14.4, height 1.25
SHARP_MIP_LCD [mm] "Connector; Header; 3 Position"
  rect 1.5x1.5 hole 0.9: 1(0,0)
  round 1.5 hole 0.9: 2(2.54,0) 3(5.08,0) 4(7.62,0) 5(10.16,0)
  silkscreen extent -1.27,-1.27 11.43,1.27
Shunt_2.54mm_Horizontal [mm]
  body extent 0,-2.54 5.03,2.54, height 3.04
SOD3716X145N [mm]
  rect 1.2x0.75 smd: 1(-1.7,0) 2(1.7,0)
  silkscreen extent -2.3,-0.77 1.35,0.77, body extent -1.85,-0.77 1.85,0.77, height 1.45
Solderbridge#1 [mm]
  round 0.2 smd paste-10: 1(-0.312,0) 2(0.312,0)
  Top Layer region: -0.077,-0.432 -0.152,-0.505 -0.271,-0.467 -0.335,-0.424 -0.409,-0.351 -0.462,-0.292 -0.521,-0.193 -0.549,-0.099 -0.544,0.122 -0.518,0.193 -0.434,0.33 -0.351,0.411 -0.259,0.469 -0.157,0.5 -0.107,0.483 -0.077,0.43
  Top Layer region: 0.077,0.432 0.152,0.505 0.271,0.467 0.335,0.424 0.409,0.351 0.462,0.292 0.521,0.193 0.549,0.099 0.544,-0.122 0.518,-0.193 0.434,-0.33 0.351,-0.411 0.259,-0.469 0.157,-0.5 0.107,-0.483 0.077,-0.43
  Top Layer lines w0.152: -0.153,-0.431 cw(c-0.042,0) -0.42,0.235 cw(c-0.042,0) -0.153,0.431 ; 0.153,-0.431 ccw(c0.042,0) 0.461,-0.15 ccw(c0.042,0) 0.487,0 ccw(c0.042,0) 0.468,0.13 ccw(c0.042,0) 0.461,0.149 ccw(c0.042,0) 0.43,0.218 ccw(c0.042,0) 0.153,0.431
Solderbridge#2 [mm]
  round 0.2 smd paste-10: 1(-0.312,0) 2(0.312,0)
  Top Layer region: 0.077,0.432 0.152,0.505 0.271,0.467 0.335,0.424 0.409,0.351 0.462,0.292 0.521,0.193 0.549,0.099 0.544,-0.122 0.518,-0.193 0.434,-0.33 0.351,-0.411 0.259,-0.469 0.157,-0.5 0.107,-0.483 0.077,-0.43
  Top Layer region: -0.077,-0.432 -0.152,-0.505 -0.271,-0.467 -0.335,-0.424 -0.409,-0.351 -0.462,-0.292 -0.521,-0.193 -0.549,-0.099 -0.544,0.122 -0.518,0.193 -0.434,0.33 -0.351,0.411 -0.259,0.469 -0.157,0.5 -0.107,0.483 -0.077,0.43
  Top Layer lines w0.152: 0.153,-0.431 ccw(c0.042,0) 0.468,0.13 ccw(c0.042,0) 0.461,0.149 ccw(c0.042,0) 0.153,0.431 ; -0.153,-0.431 cw(c-0.042,0) -0.461,0.149 cw(c-0.042,0) -0.42,0.235 cw(c-0.042,0) -0.153,0.431
Solderbridge#3 [mm]
  round 0.2 smd paste-10: 1(-0.312,0) 2(0.312,0)
  Top Layer region: -0.077,-0.432 -0.152,-0.505 -0.271,-0.467 -0.335,-0.424 -0.409,-0.351 -0.462,-0.292 -0.521,-0.193 -0.549,-0.099 -0.544,0.122 -0.518,0.193 -0.434,0.33 -0.351,0.411 -0.259,0.469 -0.157,0.5 -0.107,0.483 -0.077,0.43
  Top Layer region: 0.077,0.432 0.152,0.505 0.271,0.467 0.335,0.424 0.409,0.351 0.462,0.292 0.521,0.193 0.549,0.099 0.544,-0.122 0.518,-0.193 0.434,-0.33 0.351,-0.411 0.259,-0.469 0.157,-0.5 0.107,-0.483 0.077,-0.43
  Top Layer lines w0.152: -0.153,0.431 ccw(c-0.042,0) -0.42,0.235 ccw(c-0.042,0) -0.461,0.149 ccw(c-0.042,0) -0.35,-0.321 ccw(c-0.042,0) -0.312,-0.353 ccw(c-0.042,0) -0.153,-0.431 ; 0.153,0.431 cw(c0.042,0) 0.461,0.149 cw(c0.042,0) 0.468,0.13 cw(c0.042,0) 0.487,0 cw(c0.042,0) 0.153,-0.431
Solderbridge#4 [mm]
  round 0.2 smd paste-10: 1(-0.312,0) 2(0.312,0)
  Top Layer region: -0.077,-0.432 -0.152,-0.505 -0.271,-0.467 -0.335,-0.424 -0.409,-0.351 -0.462,-0.292 -0.521,-0.193 -0.549,-0.099 -0.544,0.122 -0.518,0.193 -0.434,0.33 -0.351,0.411 -0.259,0.469 -0.157,0.5 -0.107,0.483 -0.077,0.43
  Top Layer region: 0.077,0.432 0.152,0.505 0.271,0.467 0.335,0.424 0.409,0.351 0.462,0.292 0.521,0.193 0.549,0.099 0.544,-0.122 0.518,-0.193 0.434,-0.33 0.351,-0.411 0.259,-0.469 0.157,-0.5 0.107,-0.483 0.077,-0.43
  Top Layer lines w0.152: -0.153,-0.431 cw(c-0.042,0) -0.487,0 cw(c-0.042,0) -0.42,0.235 cw(c-0.042,0) -0.153,0.431 ; 0.153,-0.431 ccw(c0.042,0) 0.461,-0.149 ccw(c0.042,0) 0.468,0.13 ccw(c0.042,0) 0.461,0.149 ccw(c0.042,0) 0.153,0.431
SON45P300X300X75-13N-D [mm]
  rect 0.85x0.25 smd: 1(-1.45,1.125) 2(-1.45,0.675) 3(-1.45,0.225) 4(-1.45,-0.225) 5(-1.45,-0.675) 6(-1.45,-1.125) 7(1.45,-1.125) 8(1.45,-0.675) 9(1.45,-0.225) 10(1.45,0.225) 11(1.45,0.675) 12(1.45,1.125)
  rect 1.65x2.55 smd: 13(0,0)
  silkscreen extent -2,1.62 -1.75,1.87, body extent -1.55,-1.5 1.55,1.5, height 0.75
SON127P600X90_HS-8N [mm]
  rect 1.5x0.35 smd paste-1.27: 0(-0.95,1.73) 0(-0.95,-1.73) 0(0.95,1.73) 0(0.95,-1.73)
  rect 1.5x0.7 smd paste-1.27: 0(-0.95,-0.635) 0(-0.95,0.635) 0(0.95,-0.635) 0(0.95,0.635)
  rect 1.1x0.5 smd paste-1.27: 1(-2.75,1.905) 2(-2.75,0.635) 3(-2.75,-0.635) 4(-2.75,-1.905) 5(2.75,-1.905) 6(2.75,-0.635) 7(2.75,0.635) 8(2.75,1.905)
  silkscreen extent -3.6,-2.58 3.08,2.72
SOT50P160X60-6N [mm]
  rect 1.05x0.3 smd: 1(-0.7,0.5) 2(-0.7,0) 3(-0.7,-0.5) 4(0.7,-0.5) 5(0.7,0) 6(0.7,0.5)
  silkscreen extent -1.22,1 -0.18,1
SOT65P210X110-3N [mm]
  rect 1x0.55 smd: 1(-0.95,0.65) 2(-0.95,-0.65) 3(0.95,0)
  silkscreen extent -1.45,-1 0.1,1.17, body extent -1.05,-1 1.05,1, height 1.1
SOT95P280X145-5N [mm] "SOT23, 5-Leads, Body 2.90x2.80mm, Pitch 0.95mm, IPC Medium Density"
  rect 1x0.6 smd: 1(-1.375,0.95) 2(-1.375,0) 3(-1.375,-0.95) 4(1.375,-0.95) 5(1.375,0.95)
  silkscreen extent -1.5,-1.5 0.5,1.92, body extent -0.88,-1.5 0.87,1.5, height 1.45
SP100701ETG [mm]
  rect 0.325x0.65 smd: 1(-0.325,0) 2(0.325,0)
  silkscreen extent -1.1,-0.05 -1,0.05
SSM3J332RLFT [mm]
  rect 0.8x0.9 smd: 1(-0.95,-1.05) 2(0.95,-1.05) 3(0,1.05)
  silkscreen extent -1.45,-2 1.45,0.9
Switch-PB-SMD-BT0 [mm]
  rect 2.75x1.4 smd: 1(-3.375,2) 1(3.375,2) 2(-3.375,-2) 2(3.375,-2)
  silkscreen extent -3,-3 3,3, body extent -4,-3 4,3.3, height 3.1
Switch-PB-SMD-BT1 [mm]
  rect 2.75x1.4 smd: 1(-3.375,2) 1(3.375,2) 2(-3.375,-2) 2(3.375,-2)
  silkscreen extent -3,-3 3,3, body extent -4,-3 4,3.3, height 3.1
Switch-PB-SMD-BT2 [mm]
  rect 2.75x1.4 smd: 1(-3.375,2) 1(3.375,2) 2(-3.375,-2) 2(3.375,-2)
  silkscreen extent -3,-3 3,3, body extent -4,-3 4,3.3, height 3.1
Switch-PB-SMD-BT3 [mm]
  rect 2.75x1.4 smd: 1(-3.375,2) 1(3.375,2) 2(-3.375,-2) 2(3.375,-2)
  silkscreen extent -3,-3 3,3, body extent -4,-3 4,3.3, height 3.1
TP_SMD_Ø0.8mm#1 [mm]
  round 0.8 smd paste-5: 1(0,0)
TP_SMD_Ø0.8mm#2 [mm]
  round 0.8 smd paste-5: 1(0,-0.05)
XCVR_NN03-320 [mm]
  rect 1x1 smd: 1(-3,0)
  rect 0.5x1.25 smd: 2(1.75,-0.875) 3(1.75,0.875)
  rect 1x1.25 smd: 4(3,-0.875)
  Keep-Out Layer region: 3.5,-0.25 2.5,-0.25 2.5,-1.5 2,-1.5 2,-0.25 1.5,-0.25 1.5,-1.5 -3.5,-1.5 -3.5,-0.5 -2.5,-0.5 -2.5,0.5 -3.5,0.5 -3.5,1.5 1.5,1.5 1.5,0.25 2,0.25 2,1.5 3.5,1.5
  Keep-Out Layer region: 3.5,-0.25 2.5,-0.25 2.5,-1.5 2,-1.5 2,-0.25 1.5,-0.25 1.5,-1.5 -3.5,-1.5 -3.5,-0.5 -2.5,-0.5 -2.5,0.5 -3.5,0.5 -3.5,1.5 1.5,1.5 1.5,0.25 2,0.25 2,1.5 3.5,1.5
  silkscreen extent -3.5,-2.1 3.5,1.5, body extent -3.5,-1.5 3.5,1.5, height 2.02
XQFN40P180X260X50-16N [mm]
  oval 0.65x0.22 smd paste-0.02 mask+0.04: 1(-0.825,0.6) 2(-0.825,0.2) 3(-0.825,-0.2) 4(-0.825,-0.6) 9(0.825,-0.6) 10(0.825,-0.2) 11(0.825,0.2) 12(0.825,0.6)
  oval 0.22x0.65 smd paste-0.02 mask+0.04: 5(-0.6,-1.225) 6(-0.2,-1.225) 7(0.2,-1.225) 8(0.6,-1.225) 13(0.6,1.225) 14(0.2,1.225) 15(-0.2,1.225) 16(-0.6,1.225)
  silkscreen extent -1.45,-1.4 1,1.4, body extent -0.91,-1.31 0.91,1.31, height 0.55